# KiCad board Computer Board V2.1.kicad_pcb (continued)
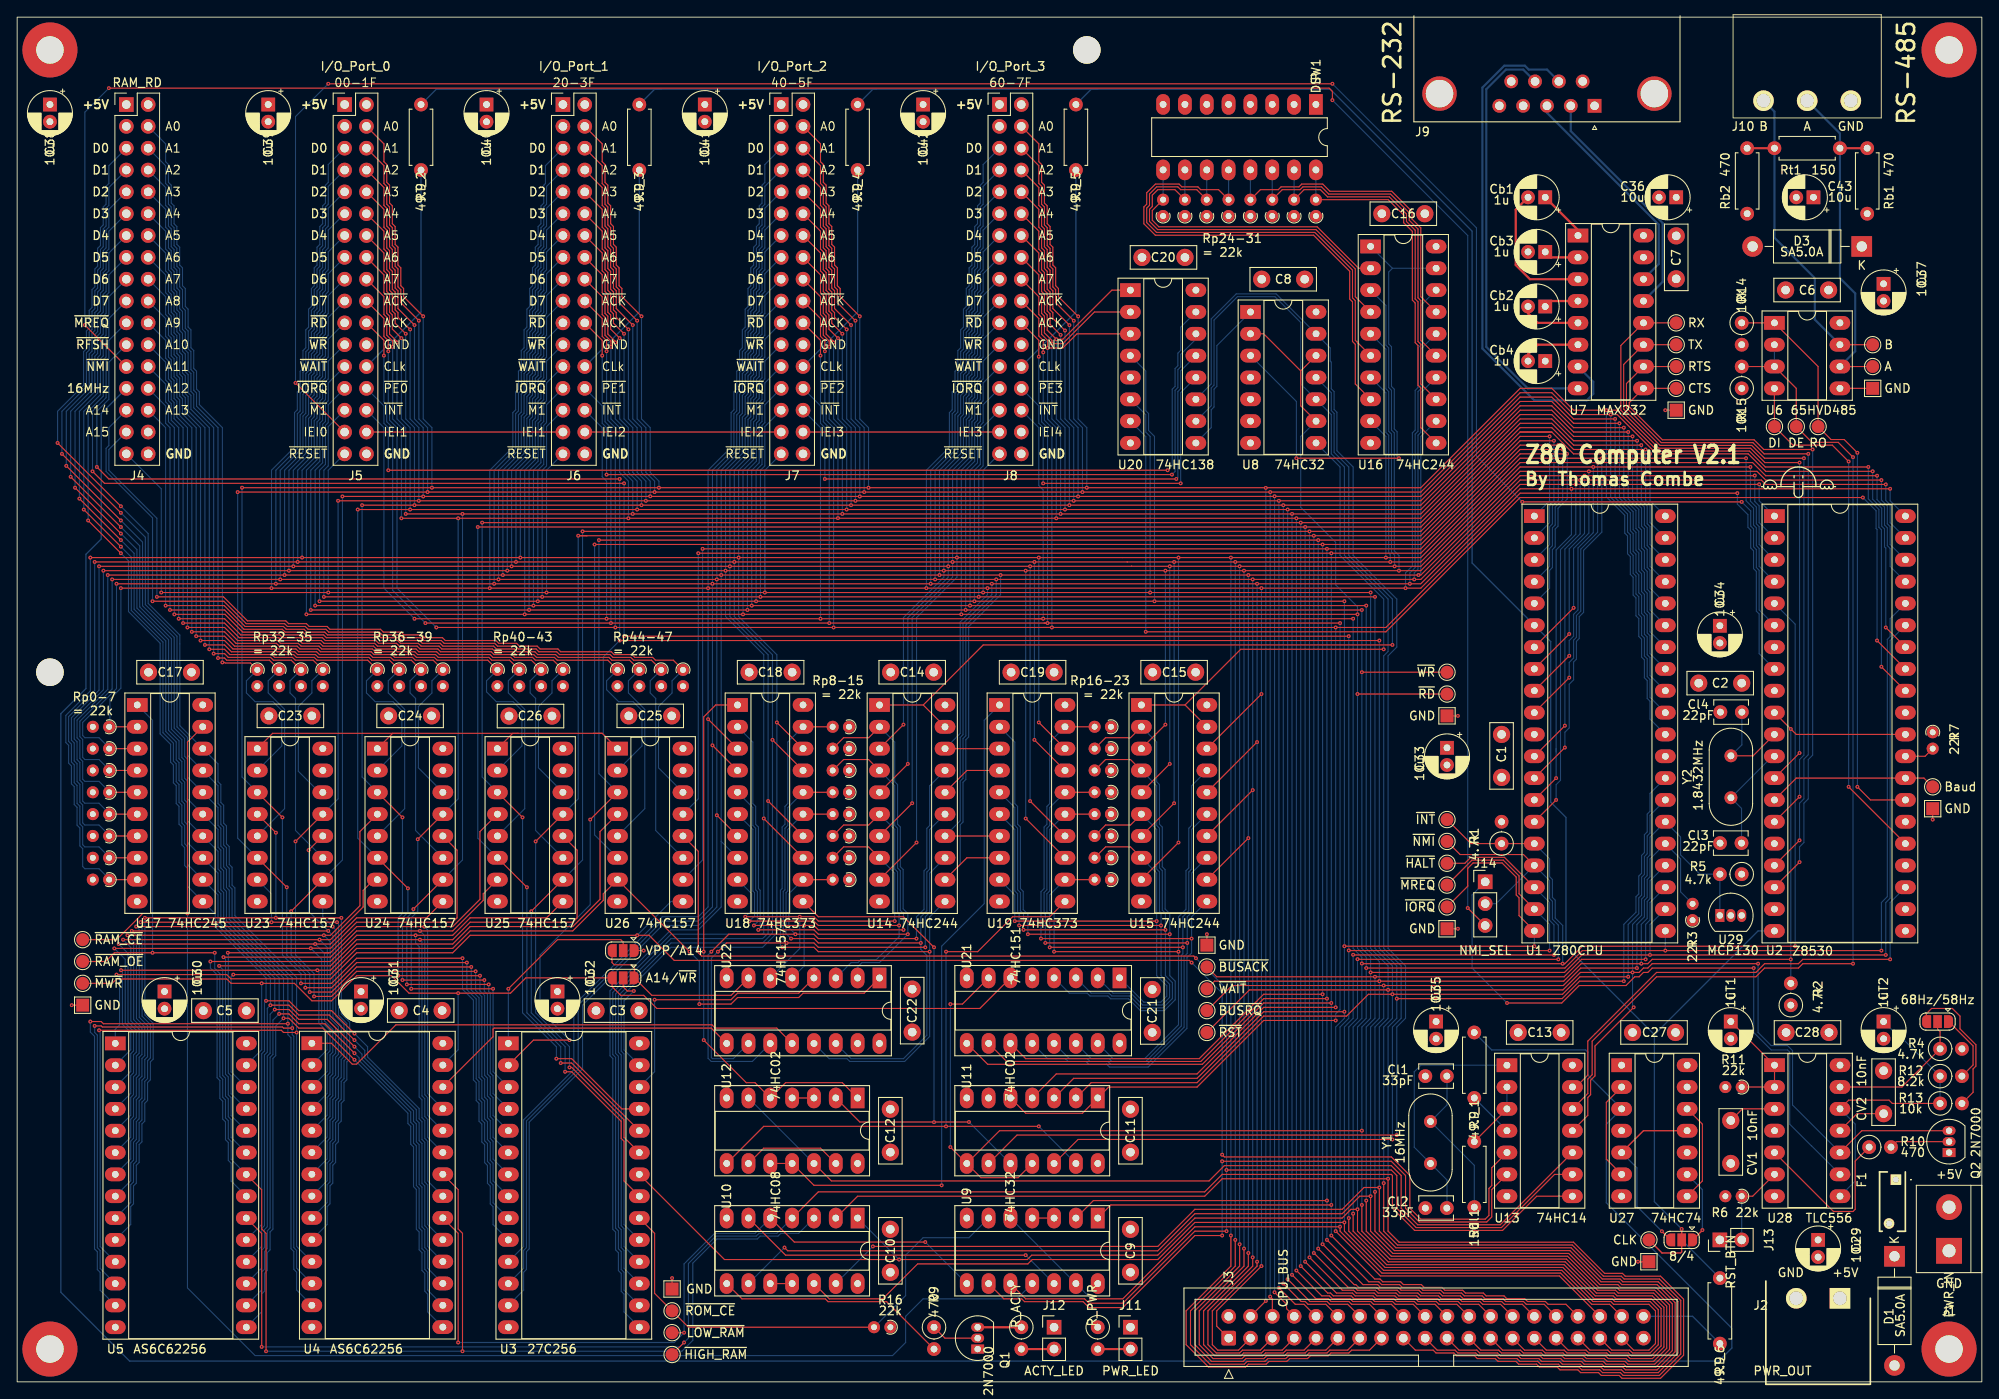
[diagram p0: board, top side]
## Library data of the parts (continued)
U11 U12 = -: Description: quad 2-input NOR gate
U13 = -: Description: Hex inverter schmitt trigger
U14-U16 = -: Description: 8-bit Buffer/Line Driver 3-state
U17 = -: Description: Octal BUS Transceivers, 3-State outputs
U18 U19 = -: Description: 8-bit Latch, 3-state outputs
U20 = -: Description: 3 line to 8-line decoders demultiplexers; Arrow Part Number: SN74HC138N; Arrow Price/Stock: https://www.arrow.com/en/products/sn74hc138n/texas-instruments?utm_currency=USD&region=nac; Height: 5.08; Manufacturer_Name: Texas Instruments; Manufacturer_Part_Number: SN74HC138N; Mouser Part Number: 595-SN74HC138N; Mouser Price/Stock: https://www.mouser.co.uk/ProductDetail/Texas-Instruments/SN74HC138N?qs=DcvZ7Fltd5x%252Bb2TMypNfUg%3D%3D
U21 = -: Description: Texas Instruments CD74HC151E, Multiplexer Switch IC Single 8:1 Multiplexer, 2  6 V, 16-Pin PDIP; Arrow Part Number: CD74HC151E; Arrow Price/Stock: https://www.arrow.com/en/products/cd74hc151e/texas-instruments?region=nac; Height: 5.08; Manufacturer_Name: Texas Instruments; Manufacturer_Part_Number: CD74HC151E; Mouser Part Number: 595-CD74HC151E; Mouser Price/Stock: https://www.mouser.co.uk/ProductDetail/Texas-Instruments/CD74HC151E?qs=YxwvVplHM%2FkvvQRtnHeIgw%3D%3D
U22-U26 = -: Description: Encoders, Decoders, Multiplexers & Demultiplexers Hi-Speed CMOS Logic Quad 2-Inpt Mltplxrs; Arrow Part Number: CD74HC157EE4; Arrow Price/Stock: https://www.arrow.com/en/products/cd74hc157ee4/texas-instruments; Height: 5.08; Manufacturer_Name: Texas Instruments; Manufacturer_Part_Number: CD74HC157EE4; Mouser Part Number: 595-CD74HC157EE4; Mouser Price/Stock: https://www.mouser.com/Search/Refine.aspx?Keyword=595-CD74HC157EE4
U27 = -: Description: Dual D Flip-flop, Set & Reset
U28 = -: Description: Dual Precision Timers, DIP-14/SOIC-14
U29 = -: Description: Microcontroller supervisory circuit with internal 5 kΩ pull-up, TO-92
Y1 Y2 = -: Description: Two pin crystal

## Footprints (pads in the part's own frame, mm; a bottom-side part is the same pattern mirrored in y, then rotated)
0ZRG0120FF1E
  rect 1.217x1.217 hole 0.71: 1(0,0)
  round 1.217 hole 0.71: 2(5.1,-0.8)
691313510003
  round 2.4 hole 1.6: 1(0,0) 2(5.08,0) 3(10.16,0)
C_Disc_D3.8mm_W2.6mm_P2.50mm
  round 1.6 hole 0.8: 1(0,0) 2(2.5,0)
C_Disc_D7.5mm_W2.5mm_P5.00mm
  round 2 hole 1: 1(0,0) 2(5,0)
CP_Radial_D5.0mm_P2.00mm
  rect 1.6x1.6 hole 0.8: 1(0,0)
  round 1.6 hole 0.8: 2(2,0)
Crystal_HC49-U_Vertical
  round 1.5 hole 0.8: 1(0,0) 2(4.88,0)
D_DO-15_P12.70mm_Horizontal
  rect 2.4x2.4 hole 1.2: 1(0,0)
  oval 2.4x2.4 hole 1.2: 2(12.7,0)
DIP-8_W7.62mm_Socket_LongPads
  rect 2.4x1.6 hole 0.8: 1(0,0)
  oval 2.4x1.6 hole 0.8: 2(0,-2.54) 3(0,-5.08) 4(0,-7.62) 5(7.62,-7.62) 6(7.62,-5.08) 7(7.62,-2.54) 8(7.62,0)
DIP-14_W7.62mm_Socket_LongPads
  rect 2.4x1.6 hole 0.8: 1(0,0)
  oval 2.4x1.6 hole 0.8: 2(0,-2.54) 3(0,-5.08) 4(0,-7.62) 5(0,-10.16) 6(0,-12.7) 7(0,-15.24) 8(7.62,-15.24) 9(7.62,-12.7) 10(7.62,-10.16) 11(7.62,-7.62) 12(7.62,-5.08) 13(7.62,-2.54) 14(7.62,0)
DIP-16_W7.62mm_LongPads
  rect 2.4x1.6 hole 0.8: 1(0,0)
  oval 2.4x1.6 hole 0.8: 2(0,-2.54) 3(0,-5.08) 4(0,-7.62) 5(0,-10.16) 6(0,-12.7) 7(0,-15.24) 8(0,-17.78) 9(7.62,-17.78) 10(7.62,-15.24) 11(7.62,-12.7) 12(7.62,-10.16) 13(7.62,-7.62) 14(7.62,-5.08) 15(7.62,-2.54) 16(7.62,0)
DIP-16_W7.62mm_Socket_LongPads
  rect 2.4x1.6 hole 0.8: 1(0,0)
  oval 2.4x1.6 hole 0.8: 2(0,-2.54) 3(0,-5.08) 4(0,-7.62) 5(0,-10.16) 6(0,-12.7) 7(0,-15.24) 8(0,-17.78) 9(7.62,-17.78) 10(7.62,-15.24) 11(7.62,-12.7) 12(7.62,-10.16) 13(7.62,-7.62) 14(7.62,-5.08) 15(7.62,-2.54) 16(7.62,0)
DIP-20_W7.62mm_Socket_LongPads
  rect 2.4x1.6 hole 0.8: 1(0,0)
  oval 2.4x1.6 hole 0.8: 2(0,-2.54) 3(0,-5.08) 4(0,-7.62) 5(0,-10.16) 6(0,-12.7) 7(0,-15.24) 8(0,-17.78) 9(0,-20.32) 10(0,-22.86) 11(7.62,-22.86) 12(7.62,-20.32) 13(7.62,-17.78) 14(7.62,-15.24) 15(7.62,-12.7) 16(7.62,-10.16) 17(7.62,-7.62) 18(7.62,-5.08) 19(7.62,-2.54) 20(7.62,0)
DIP-28_W15.24mm_Socket_LongPads
  rect 2.4x1.6 hole 0.8: 1(0,0)
  oval 2.4x1.6 hole 0.8: 2(0,-2.54) 3(0,-5.08) 4(0,-7.62) 5(0,-10.16) 6(0,-12.7) 7(0,-15.24) 8(0,-17.78) 9(0,-20.32) 10(0,-22.86) 11(0,-25.4) 12(0,-27.94) 13(0,-30.48) 14(0,-33.02) 15(15.24,-33.02) 16(15.24,-30.48) 17(15.24,-27.94) 18(15.24,-25.4) 19(15.24,-22.86) 20(15.24,-20.32) 21(15.24,-17.78) 22(15.24,-15.24) 23(15.24,-12.7) 24(15.24,-10.16) 25(15.24,-7.62) 26(15.24,-5.08) 27(15.24,-2.54) 28(15.24,0)
DIP-40_W15.24mm_Socket_LongPads
  rect 2.4x1.6 hole 0.8: 1(0,0)
  oval 2.4x1.6 hole 0.8: 2(0,-2.54) 3(0,-5.08) 4(0,-7.62) 5(0,-10.16) 6(0,-12.7) 7(0,-15.24) 8(0,-17.78) 9(0,-20.32) 10(0,-22.86) 11(0,-25.4) 12(0,-27.94) 13(0,-30.48) 14(0,-33.02) 15(0,-35.56) 16(0,-38.1) 17(0,-40.64) 18(0,-43.18) 19(0,-45.72) 20(0,-48.26) 21(15.24,-48.26) 22(15.24,-45.72) 23(15.24,-43.18) 24(15.24,-40.64) 25(15.24,-38.1) 26(15.24,-35.56) 27(15.24,-33.02) 28(15.24,-30.48) 29(15.24,-27.94) 30(15.24,-25.4) 31(15.24,-22.86) 32(15.24,-20.32) 33(15.24,-17.78) 34(15.24,-15.24) 35(15.24,-12.7) 36(15.24,-10.16) 37(15.24,-7.62) 38(15.24,-5.08) 39(15.24,-2.54) 40(15.24,0)
DSUB-9_Male_Horizontal_P2.77x2.84mm_EdgePinOffset7.70mm_Housed_MountingHolesOffset9.12mm
  round 4 hole 3.2: 0(-6.96,-1.42) 0(18.04,-1.42)
  rect 1.6x1.6 hole 1: 1(0,0)
  round 1.6 hole 1: 2(2.77,0) 3(5.54,0) 4(8.31,0) 5(11.08,0) 6(1.385,-2.84) 7(4.155,-2.84) 8(6.925,-2.84) 9(9.695,-2.84)
IDC-Header_2x20_P2.54mm_Vertical
  rrect 1.7x1.7 hole 1: 1(0,0)
  round 1.7 hole 1: 2(2.54,0) 3(0,-2.54) 4(2.54,-2.54) 5(0,-5.08) 6(2.54,-5.08) 7(0,-7.62) 8(2.54,-7.62) 9(0,-10.16) 10(2.54,-10.16) 11(0,-12.7) 12(2.54,-12.7) 13(0,-15.24) 14(2.54,-15.24) 15(0,-17.78) 16(2.54,-17.78) 17(0,-20.32) 18(2.54,-20.32) 19(0,-22.86) 20(2.54,-22.86) 21(0,-25.4) 22(2.54,-25.4) 23(0,-27.94) 24(2.54,-27.94) 25(0,-30.48) 26(2.54,-30.48) 27(0,-33.02) 28(2.54,-33.02) 29(0,-35.56) 30(2.54,-35.56) 31(0,-38.1) 32(2.54,-38.1) 33(0,-40.64) 34(2.54,-40.64) 35(0,-43.18) 36(2.54,-43.18) 37(0,-45.72) 38(2.54,-45.72) 39(0,-48.26) 40(2.54,-48.26)
MountingHole_3.2mm_M3
  round 3.2 hole 3.2 unplated: (0,0)
MountingHole_3.2mm_M3_Pad
  round 6.4 hole 3.2: 1(0,0)
PinHeader_1x02_P2.54mm_Vertical
  rect 1.7x1.7 hole 1: 1(0,0)
  oval 1.7x1.7 hole 1: 2(0,-2.54)
PinHeader_1x03_P2.54mm_Vertical
  rect 1.7x1.7 hole 1: 1(0,0)
  oval 1.7x1.7 hole 1: 2(0,-2.54) 3(0,-5.08)
PinHeader_2x17_P2.54mm_Vertical
  rect 1.7x1.7 hole 1: 1(0,0)
  oval 1.7x1.7 hole 1: 2(2.54,0) 3(0,-2.54) 4(2.54,-2.54) 5(0,-5.08) 6(2.54,-5.08) 7(0,-7.62) 8(2.54,-7.62) 9(0,-10.16) 10(2.54,-10.16) 11(0,-12.7) 12(2.54,-12.7) 13(0,-15.24) 14(2.54,-15.24) 15(0,-17.78) 16(2.54,-17.78) 17(0,-20.32) 18(2.54,-20.32) 19(0,-22.86) 20(2.54,-22.86) 21(0,-25.4) 22(2.54,-25.4) 23(0,-27.94) 24(2.54,-27.94) 25(0,-30.48) 26(2.54,-30.48) 27(0,-33.02) 28(2.54,-33.02) 29(0,-35.56) 30(2.54,-35.56) 31(0,-38.1) 32(2.54,-38.1) 33(0,-40.64) 34(2.54,-40.64)
R_Axial_DIN0204_L3.6mm_D1.6mm_P1.90mm_Vertical
  round 1.4 hole 0.7: 1(0,0)
  oval 1.4x1.4 hole 0.7: 2(1.9,0)
R_Axial_DIN0207_L6.3mm_D2.5mm_P2.54mm_Vertical
  round 1.6 hole 0.8: 1(0,0)
  oval 1.6x1.6 hole 0.8: 2(2.54,0)
R_Axial_DIN0207_L6.3mm_D2.5mm_P7.62mm_Horizontal
  round 1.6 hole 0.8: 1(0,0)
  oval 1.6x1.6 hole 0.8: 2(7.62,0)
SHDRRA2W100P0X508_1X2_1216X1200X850P
  rect 2.4x2.4 hole 1.6: 1(0,0)
  round 2.4 hole 1.6: 2(5.08,0)
SolderJumper-3_P1.3mm_Open_RoundedPad1.0x1.5mm
  custom 1.05x1.5 smd: 1(-1.3,0) 3(1.3,0)
  rect 1x1.5 smd: 2(0,0)
TerminalBlock_bornier-2_P5.08mm
  rect 3x3 hole 1.52: 1(0,0)
  round 3 hole 1.52: 2(5.08,0)
TestPoint_Pad_1.5x1.5mm
  rect 1.5x1.5 smd: 1(0,0)
TestPoint_Pad_D1.5mm
  round 1.5 smd: 1(0,0)
TO-92_Inline
  rect 1.05x1.5 hole 0.75: 1(0,0)
  oval 1.05x1.5 hole 0.75: 2(1.27,0) 3(2.54,0)

## Nets
+5V: C1.1 C2.1 C3.1 C4.1 C5.1 C6.1 C7.1 C8.1 C9.1 C10.1 C11.1 C12.1 C13.1 C14.1 C15.1 C16.1 C17.1 C18.1 C19.1 C20.1 C21.1 C22.1 C23.1 C24.1 C25.1 C26.1 C27.1 C28.1 C29.1 C30.1 C31.1 C32.1 C33.1 C34.1 C35.1 C36.1 C37.1 C38.1 C39.1 C40.1 C41.1 C42.1 C43.1 D1.1 D3.1 F1.2 J2.1 J4.1 J5.1 J6.1 J7.1 J8.1 J11.1 J12.1 JP2.1 R1.2 R2.1 R3.1 R4.2 R5.1 R6.2 R7.1 R11.2 R14.2 R16.1 Rb1.1 Rp_0.2 Rp_1.2 Rp_2.2 Rp_3.2 Rp_4.2 Rp_5.2 Rp_6.2 Rp_7.2 Rp_16.1 Rp_17.1 Rp_18.1 Rp_19.1 Rp_20.1 Rp_21.1 Rp_22.1 Rp_23.1 Rp_32.2 Rp_33.2 Rp_34.2 Rp_35.2 Rp_36.2 Rp_37.2 Rp_38.2 Rp_39.2 Rp_40.2 Rp_41.2 Rp_42.2 Rp_43.2 Rp_44.2 Rp_45.2 Rp_46.2 Rp_47.2 SW1.1 SW1.2 SW1.3 SW1.4 SW1.5 SW1.6 SW1.7 SW1.8 U1.11 U2.7 U2.9 U3.28 U4.28 U5.28 U6.8 U7.16 U8.14 U9.14 U10.14 U11.14 U12.14 U13.14 U14.20 U15.20 U16.20 U17.20 U18.20 U19.20 U20.16 U21.16 U22.16 U23.16 U24.16 U25.16 U26.16 U27.1 U27.4 U27.10 U27.13 U27.14 U28.4 U28.14 U29.2
GND: C1.2 C2.2 C3.2 C4.2 C5.2 C6.2 C7.2 C8.2 C9.2 C10.2 C11.2 C12.2 C13.2 C14.2 C15.2 C16.2 C17.2 C18.2 C19.2 C20.2 C21.2 C22.2 C23.2 C24.2 C25.2 C26.2 C27.2 C28.2 C29.2 C30.2 C31.2 C32.2 C33.2 C34.2 C35.2 C36.2 C37.2 C38.2 C39.2 C40.2 C41.2 C42.2 C43.2 Cb3.2 Cb4.1 Cl1.2 Cl2.2 Cl3.2 Cl4.2 CT1.2 CT2.2 CV1.2 CV2.2 D1.2 D3.2 H1.1 H2.1 H3.1 H4.1 J1.1 J2.2 J3.2 J3.39 J4.34 J5.24 J5.34 J6.24 J6.34 J7.24 J7.34 J8.24 J8.34 J9.0 J9.5 J10.1 J13.1 Q1.1 Q2.1 R15.1 R17.1 Rb2.2 Rp_8.1 Rp_9.1 Rp_10.1 Rp_11.1 Rp_12.1 Rp_13.1 Rp_14.1 Rp_15.1 Rp_24.1 Rp_25.1 Rp_26.1 Rp_27.1 Rp_28.1 Rp_29.1 Rp_30.1 Rp_31.1 TP32.1 TP33.1 TP37.1 TP38.1 TP39.1 TP40.1 TP41.1 TP42.1 TP43.1 U1.29 U2.19 U2.21 U2.22 U2.31 U3.14 U4.14 U5.14 U6.5 U7.15 U8.4 U8.5 U8.7 U9.7 U10.7 U11.6 U11.7 U12.7 U13.7 U14.10 U15.10 U16.10 U17.10 U18.10 U19.10 U20.5 U20.8 U21.8 U22.8 U22.15 U23.8 U23.15 U24.8 U24.15 U25.8 U25.15 U26.8 U26.15 U27.7 U28.7 U29.3
/A: J10.2 Rb1.2 Rt1.1 TP14.1 U6.6
/A0: J3.4 J5.4 J6.4 J7.4 J8.4 U1.30 U2.32 U3.10 U23.3
/A1: J3.6 J5.6 J6.6 J7.6 J8.6 U1.31 U2.34 U3.9 U23.6
/A2: J3.8 J5.8 J6.8 J7.8 J8.8 U1.32 U3.8 U23.10
/A3: J3.10 J5.10 J6.10 J7.10 J8.10 U1.33 U3.7 U23.13
/A4: J3.12 J5.12 J6.12 J7.12 J8.12 U1.34 U3.6 U24.3
/A5: J3.14 J5.14 J6.14 J7.14 J8.14 U1.35 U3.5 U20.1 U24.6
/A6: J3.16 J5.16 J6.16 J7.16 J8.16 U1.36 U3.4 U20.2 U24.10
/A7: J3.18 J5.18 J6.18 J7.18 J8.18 U1.37 U3.3 U20.3 U24.13
/A8: J3.20 U1.38 U3.25 U25.3
/A9: J3.22 U1.39 U3.24 U25.6
/A10: J3.24 U1.40 U3.21 U25.10
/A11: J3.26 U1.1 U3.23 U25.13
/A12: J3.28 U1.2 U3.2 U26.3
/A13: J3.30 U1.3 U21.11 U26.6
/A14: J3.32 U1.4 U9.2 U21.10 U26.10
/A14/~{WR}: JP3.2 U3.27
/A15: J3.34 U1.5 U9.1 U21.9 U26.13
/ACK: J5.22 J6.22 J7.22 J8.22 U11.1 U11.5
/ACTY: R9.2 U10.8
/AstableCap: CT2.1 R12.1 R13.1 U28.8 U28.12
/AstableNode: JP4.2 R4.1 U28.13
/B: J10.3 Rb2.1 Rt1.2 TP15.1 U6.7
/Bank_Q0: Rp_8.2 U14.2 U18.2 U22.2
/Bank_Q1: Rp_9.2 U14.4 U18.5 U22.5
/Bank_Q2: Rp_10.2 U14.6 U18.6 U22.3
/Bank_Q3: Rp_11.2 U14.8 U18.9 U22.6
/Bank_Q4: Rp_12.2 U14.17 U18.12 U22.11
/Bank_Q5: Rp_13.2 U14.15 U18.15 U22.14
/Bank_Q6: Rp_14.2 U14.13 U18.16 U22.10
/Bank_Q7: Rp_15.2 U14.11 U18.19 U22.13
/Bank_Register/WR: U11.10 U12.2 U18.11
/Bank_Register/~{OE}: U12.1 U12.5 U18.1
/Baud_CLK: TP2.1 U2.14 U2.28
/CLK: JP1.2 RT_2.2 RT_3.2 RT_4.2 RT_5.2 RT_6.2 TP22.1 U1.6 U2.20
/CLK_4MHz: JP1.1 U27.9
/CLK_8MHz: JP1.3 U27.5 U27.11
/CLK_16MHz: J4.27 RT_1.2 U27.3
/CPU_~{NMI}: J3.35 J14.2 TP1.1 U1.17
/CTS_232: J9.8 U7.8
/D0: J3.1 J5.5 J6.5 J7.5 J8.5 Rp_0.1 U1.14 U2.40 U3.11 U14.18 U15.18 U16.18 U17.2 U18.3 U19.3
/D1: J3.3 J5.7 J6.7 J7.7 J8.7 Rp_1.1 U1.15 U2.1 U3.12 U14.16 U15.16 U16.16 U17.3 U18.4 U19.4
/D2: J3.5 J5.9 J6.9 J7.9 J8.9 Rp_2.1 U1.12 U2.39 U3.13 U14.14 U15.14 U16.14 U17.4 U18.7 U19.7
/D3: J3.7 J5.11 J6.11 J7.11 J8.11 Rp_3.1 U1.8 U2.2 U3.15 U14.12 U15.12 U16.12 U17.5 U18.8 U19.8
/D4: J3.9 J5.13 J6.13 J7.13 J8.13 Rp_4.1 U1.7 U2.38 U3.16 U14.3 U15.3 U16.3 U17.6 U18.13 U19.13
/D5: J3.11 J5.15 J6.15 J7.15 J8.15 Rp_5.1 U1.9 U2.3 U3.17 U14.5 U15.5 U16.5 U17.7 U18.14 U19.14
/D6: J3.13 J5.17 J6.17 J7.17 J8.17 Rp_6.1 U1.10 U2.37 U3.18 U14.7 U15.7 U16.7 U17.8 U18.17 U19.17
/D7: J3.15 J5.19 J6.19 J7.19 J8.19 Rp_7.1 U1.13 U2.4 U3.19 U14.9 U15.9 U16.9 U17.9 U18.18 U19.18
/DE: R15.2 TP35.1 U6.2 U6.3 U13.12
/DI: TP36.1 U2.25 U6.4
/DIP0: Rp_31.2 SW1.9 U16.2
/DIP1: Rp_30.2 SW1.10 U16.4
/DIP2: Rp_29.2 SW1.11 U16.6
/DIP3: Rp_28.2 SW1.12 U16.8
/DIP4: Rp_27.2 SW1.13 U16.17
/DIP5: Rp_26.2 SW1.14 U16.15
/DIP6: Rp_25.2 SW1.15 U16.13
/DIP7: Rp_24.2 SW1.16 U16.11
/IEI0: J5.31 U2.6
/IEI1: J5.32 J6.31
/IEI2: J6.32 J7.31
/IEI3: J7.32 J8.31
/IEI4: J8.32
/Int_~{NMI}: J14.1 U28.9
/Low_RAM_A13: U4.26 U22.9
/Low_RAM_A14: U4.1 U22.12
/MonotableNode: R10.1 U28.5
/Protect_Q0: Rp_16.2 U15.2 U19.2 U21.4
/Protect_Q1: Rp_17.2 U15.4 U19.5 U21.3
/Protect_Q2: Rp_18.2 U15.6 U19.6 U21.2
/Protect_Q3: Rp_19.2 U15.8 U19.9 U21.1
/Protect_Q4: Rp_20.2 U15.17 U19.12 U21.15
/Protect_Q5: Rp_21.2 U15.15 U19.15 U21.14
/Protect_Q6: Rp_22.2 U15.13 U19.16 U21.13
/Protect_Q7: Rp_23.2 U15.11 U19.19 U21.12
/Protect_Register/WR: U11.13 U12.8 U19.11
/Protect_Register/~{OE}: U12.10 U12.11 U19.1
/RAM_A0: U4.10 U5.10 U23.4
/RAM_A1: U4.9 U5.9 U23.7
/RAM_A2: U4.8 U5.8 U23.9
/RAM_A3: U4.7 U5.7 U23.12
/RAM_A4: U4.6 U5.6 U24.4
/RAM_A5: U4.5 U5.5 U24.7
/RAM_A6: U4.4 U5.4 U24.9
/RAM_A7: U4.3 U5.3 U24.12
/RAM_A8: U4.25 U5.25 U25.4
/RAM_A9: U4.24 U5.24 U25.7
/RAM_A10: U4.21 U5.21 U25.9
/RAM_A11: U4.23 U5.23 U25.12
/RAM_A12: U4.2 U5.2 U26.4
/RAM_A13: U5.26 U22.1 U26.7
/RAM_A14: U5.1 U13.5 U26.9
/RAM_A15: U9.10 U13.9 U26.12
/RAM_D0: J4.5 U4.11 U5.11 U17.18
/RAM_D1: J4.7 U4.12 U5.12 U17.17
/RAM_D2: J4.9 U4.13 U5.13 U17.16
/RAM_D3: J4.11 U4.15 U5.15 U17.15
/RAM_D4: J4.13 U4.16 U5.16 U17.14
/RAM_D5: J4.15 U4.17 U5.17 U17.13
/RAM_D6: J4.17 U4.18 U5.18 U17.12
/RAM_D7: J4.19 U4.19 U5.19 U17.11
/RESET: U12.6 U12.12 U13.10
/RO: R14.1 TP34.1 U2.27 U6.1
/ROM_A13: U3.26 U22.4
/ROM_A14: JP2.3 JP3.1 U22.7
/RTS_232: J9.7 U7.7
/RX: TP6.1 U2.13 U7.12
/Sync_~{NMI}: J4.25 J14.3
/TX: TP5.1 U2.15 U7.11
/Vid_A0: J4.4 Rp_32.1 U23.2
/Vid_A1: J4.6 Rp_33.1 U23.5
/Vid_A2: J4.8 Rp_34.1 U23.11
/Vid_A3: J4.10 Rp_35.1 U23.14
/Vid_A4: J4.12 Rp_36.1 U24.2
/Vid_A5: J4.14 Rp_37.1 U24.5
/Vid_A6: J4.16 Rp_38.1 U24.11
/Vid_A7: J4.18 Rp_39.1 U24.14
/Vid_A8: J4.20 Rp_40.1 U25.2
/Vid_A9: J4.22 Rp_41.1 U25.5
/Vid_A10: J4.24 Rp_42.1 U25.11
/Vid_A11: J4.26 Rp_43.1 U25.14
/Vid_A12: J4.28 Rp_44.1 U26.2
/Vid_A13: J4.30 Rp_45.1 U26.5
/Vid_A14: J4.29 Rp_46.1 U26.11
/Vid_A15: J4.31 Rp_47.1 U26.14
/VPP/A14: JP2.2 U3.1
/~{4MHz}: U27.8 U27.12
/~{8MHz}: U27.2 U27.6
/~{ACK}: J5.20 J6.20 J7.20 J8.20 U2.8 U11.4
/~{BankSW_RD}: U8.11 U14.1 U14.19
/~{BankSW}: U8.13 U11.9 U20.11
/~{BUSACK}: J3.27 TP12.1 U1.23
/~{BUSRQ}: J3.23 R3.2 TP11.1 U1.25
/~{CPU_RAM_CE}: TP17.1 U9.11 U17.19
/~{CTSA}: TP3.1 U2.18 U7.9
/~{DIP_RD}: U8.3 U16.1 U16.19
/~{DIP}: U8.1 U20.9
/~{ESCC}: U2.33 U20.7
/~{HALT}: J3.37 TP13.1 U1.18 U10.12
/~{HIGH_RAM_CE}: TP24.1 U5.20 U10.4 U13.8
/~{INT}: J3.33 J5.30 J6.30 J7.30 J8.30 R1.1 TP9.1 U1.16 U2.5
/~{IORQ}: J3.36 J5.27 J6.27 J7.27 J8.27 TP29.1 U1.20 U11.3 U20.4
/~{LOW_RAM_CE}: TP23.1 U4.20 U9.8 U10.5
/~{M1}: J3.19 J5.29 J6.29 J7.29 J8.29 U1.27 U11.2
/~{MREQ}: J3.38 J4.21 TP28.1 U1.19 U9.5 U9.13
/~{MWR}: JP3.3 TP20.1 U4.27 U5.27 U21.6
/~{PE0}: J5.28 U20.15
/~{PE1}: J6.28 U20.14
/~{PE2}: J7.28 U20.13
/~{PE3}: J8.28 U20.12
/~{Protect_RD}: U8.8 U15.1 U15.19
/~{Protect}: U8.10 U11.12 U20.10
/~{RAM_A14}: U9.9 U13.6
/~{RAM_CE}: U9.12 U10.6
/~{RAM_OE}: TP18.1 U4.22 U5.22 U10.3 U17.1
/~{RD}: J3.31 J5.21 J6.21 J7.21 J8.21 TP26.1 U1.21 U2.36 U3.22 U8.2 U8.9 U8.12 U10.1
/~{RESET}: J3.21 J4.33 J5.33 J6.33 J7.33 J8.33 Q2.3 R5.2 TP8.1 U1.26 U10.13 U13.11 U20.6 U28.10 U29.1
/~{RFSH}: J3.17 J4.23 U1.28 U10.2 U23.1 U24.1 U25.1 U26.1
/~{ROM_CE}: R16.2 TP19.1 U3.20 U9.6
/~{RSTB}: U2.23 U13.13
/~{RTSA}: TP4.1 U2.17 U7.10
/~{RX_232}: J9.2 U7.13
/~{SYNCB}: R7.2 U2.29
/~{TX_232}: J9.3 U7.14
/~{WAIT}: J3.25 J5.25 J6.25 J7.25 J8.25 R2.2 TP10.1 U1.24 U2.10 U2.30 U10.9
/~{WR}: J3.29 J5.23 J6.23 J7.23 J8.23 TP25.1 U1.22 U2.35 U11.8 U11.11 U21.7
Net-(Cl1-Pad1): Cl1.1 Rdl1.2 Y1.1
Net-(Cl2-Pad1): Cl2.1 U13.1 Y1.2
Net-(J1-Pin_2): F1.1 J1.2
Net-(J3-Pin_40): J3.40 RT_6.1
Net-(J5-Pin_26): J5.26 RT_2.1
Net-(J6-Pin_26): J6.26 RT_3.1
Net-(J7-Pin_26): J7.26 RT_4.1
Net-(J8-Pin_26): J8.26 RT_5.1
Net-(J11-Pin_2): J11.2 R17.2
Net-(J12-Pin_2): J12.2 R18.2
Net-(J13-Pin_2): J13.2 R6.1 U28.6
Net-(JP4-A): JP4.1 R12.2
Net-(JP4-B): JP4.3 R13.2
Net-(Q1-D): Q1.3 R18.1
Net-(Q1-G): Q1.2 R9.1
Net-(Q2-G): Q2.2 R10.2
Net-(Rdl1-Pad1): Rdl1.1 U13.2 U13.3
Net-(RT_1-Pad1): RT_1.1 U13.4
Net-(U2-~{RTXCA}): Cl3.1 U2.12 Y2.2
Net-(U2-~{SYNCA}): Cl4.1 U2.11 Y2.1
Net-(U7-C1+): Cb1.1 U7.1
Net-(U7-C1-): Cb1.2 U7.3
Net-(U7-C2+): Cb2.1 U7.4
Net-(U7-C2-): Cb2.2 U7.5
Net-(U7-VS+): Cb3.1 U7.2
Net-(U7-VS-): Cb4.2 U7.6
Net-(U9-1Y): U9.3 U9.4
Net-(U10-3B): U10.10 U10.11
Net-(U12-Pad3): U12.3 U12.4
Net-(U12-Pad13): U12.9 U12.13
Net-(U28A-CV): CV1.1 U28.3
Net-(U28A-DIS): CT1.1 R11.1 U28.1 U28.2
Net-(U28B-CV): CV2.1 U28.11

Pads without a net: J4 2 3 32; J5 2 3; J6 2 3; J7 2 3; J8 2 3; J9 1 4 6 9; U2 16 24 26; U8 6; U21 5

## Via types
v1: diameter 0.45, hole 0.2, Top to Bottom, 623 vias

## Routing (per net, layer and track width the routed paths; a pad name or vN(x,y) marks a point on that pad's centre or on a via; arc(x,y) is an arc through that point)
+5V: length 40.8
  Top w0.127: v1(72.9,50.16) 71.81,50.16
  In1.Cu w1: D1.1 218.44,17.78 217.81,18.41 ; D1.1 218.44,12.7 215.46,9.72 J2.1 ; D1.1 216.53,14.6 214.63,16.51 C29.1 ; C43.1 213.36,137.79 Rb1.1 214.63,135.25 D3.1 217.17,129.54 C37.1
GND: length 38.4
  Top w0.127: TP42.1 v1(167.64,77.47) ; TP40.1 v1(138.43,52.07) ; TP43.1 v1(76.2,12.06) ; TP33.1 v1(222.89,65.41) ; TP41.1 v1(6.35,43.81) ; TP37.1 v1(167.64,52.7) ; TP39.1 v1(191.77,113.03) ; U6.5 TP38.1
  Top w0.15: v1(188.59,13.97) TP32.1
  In2.Cu w1: J10.1 207.01,142.69 C43.2 203.2,137.79 Rb2.2 201.93,135.25 D3.2
/A: length 41
  Top w0.127: TP14.1 U6.6
  Top w0.254: Rt1.1 Rb1.2
  Bottom w0.254: J10.2 212.09,145.22 Rt1.1 212.09,128.4 213.87,126.62 213.87,119.89 U6.6
/A0: length 660
  Top w0.127: v1(72.64,123.95) 70.36,126.23 70.36,127.19 70.03,127.51 70.03,129.59 69.71,129.92 69.71,132 69.38,132.32 69.38,134.4 69.05,134.73 69.05,136.8 68.73,137.13 68.73,139.21 68.4,139.54 68.4,141.61 68.07,141.94 68.07,144.02 J6.4 ; v1(145.29,9.4) J3.4 ; v1(26.16,104.01) v1(48.26,104.01) 163.32,104.01 174.88,115.57 178.56,115.57 181.1,113.03 v1(184.91,113.03) 186.14,113.03 190.89,108.28 201.56,108.28 203.41,106.43 v1(215.39,106.43) ; v1(98.04,123.95) 95.76,126.23 95.76,127.19 95.43,127.51 95.43,129.59 95.11,129.92 95.11,132 94.78,132.32 94.78,134.4 94.45,134.73 94.45,136.8 94.13,137.13 94.13,139.21 93.8,139.54 93.8,141.61 93.47,141.94 93.47,144.02 J7.4 ; J8.4 118.87,144.02 118.87,141.94 119.2,141.61 119.2,139.54 119.53,139.21 119.53,137.13 119.85,136.8 119.85,134.73 120.18,134.4 120.18,132.32 120.51,132 120.51,129.92 120.83,129.59 120.83,127.51 121.16,127.19 121.16,126.23 v1(123.45,123.94) ; J5.4 42.67,144.02 42.67,141.94 43,141.61 43,139.54 43.33,139.21 43.33,137.13 43.65,136.8 43.65,134.73 43.98,134.4 43.98,132.32 44.31,132 44.31,129.92 44.63,129.59 44.63,127.51 44.96,127.19 44.96,126.23 v1(47.24,123.95) ; U2.32 v1(216.92,83.19) ; v1(51.82,49.28) 39.5,49.28 36.58,46.35 v1(33.02,46.35) ; U23.3 v1(30.86,65.66)
  Bottom w0.127: v1(51.82,49.28) 51.82,45.67 53.08,44.4 53.08,35.12 53.41,34.79 53.41,32.72 53.74,32.39 53.74,30.31 54.06,29.98 54.06,27.91 54.39,27.58 54.39,25.5 54.72,25.17 54.72,23.1 55.05,22.77 55.05,20.69 55.37,20.37 55.37,18.29 U3.10 ; v1(215.39,106.43) 215.39,102.72 216.62,101.48 216.62,99.41 216.92,99.12 v1(216.92,83.19) ; v1(184.91,113.03) 184.91,102.95 187.05,100.81 187.05,98.73 187.38,98.41 187.38,96.33 187.7,96 187.7,93.93 188.03,93.6 188.03,91.52 188.36,91.19 188.36,89.12 188.68,88.79 188.68,86.71 189.01,86.39 189.01,84.31 189.34,83.98 189.34,81.9 189.67,81.58 189.67,79.5 189.99,79.17 189.99,77.09 191.78,75.31 ; v1(99.06,104.01) 99.06,111 98.04,112.01 v1(98.04,123.95) ; v1(124.46,104.01) 124.46,111 123.45,112.01 v1(123.45,123.94) ; v1(26.16,104.01) 26.16,70.36 U23.3 ; v1(33.02,46.35) 33.02,47.5 30.86,49.66 v1(30.86,65.66) ; v1(72.64,123.95) 72.64,112.01 73.66,111 73.66,105.79 74.68,104.77 v1(74.68,104.01) ; v1(48.26,104.01) 48.26,111 47.24,112.01 v1(47.24,123.95) ; v1(145.29,103.99) v1(145.29,9.4)
/A1: length 639
  Top w0.127: v1(145.8,9.91) 146.05,9.65 J3.6 ; v1(122.94,123.44) 120.83,125.55 120.83,127.05 120.51,127.38 120.51,129.46 120.18,129.78 120.18,131.86 119.85,132.19 119.85,134.26 119.53,134.59 119.53,136.67 119.2,137 119.2,139.07 118.87,139.4 118.87,141.48 J8.6 ; J6.6 68.07,141.48 68.07,139.4 68.4,139.07 68.4,137 68.73,136.67 68.73,134.59 69.05,134.26 69.05,132.19 69.38,131.86 69.38,129.78 69.71,129.46 69.71,127.38 70.03,127.05 70.03,125.55 v1(72.14,123.44) ; v1(215.9,105.92) 203.45,105.92 201.42,107.95 190.75,107.95 186.18,112.52 v1(185.42,112.52) 181.1,112.52 178.56,115.06 174.88,115.06 163.32,103.5 v1(123.95,103.5) v1(98.55,103.5) v1(74.17,103.5) v1(47.75,103.5) v1(25.65,103.5) ; J5.6 42.67,141.48 42.67,139.4 43,139.07 43,137 43.33,136.67 43.33,134.59 43.65,134.26 43.65,132.19 43.98,131.86 43.98,129.78 44.31,129.46 44.31,127.38 44.63,127.05 44.63,125.55 v1(46.74,123.44) ; v1(33.53,45.85) 36.58,45.85 39.5,48.77 v1(52.32,48.77) ; v1(97.54,123.44) 95.43,125.55 95.43,127.05 95.11,127.38 95.11,129.46 94.78,129.78 94.78,131.86 94.45,132.19 94.45,134.26 94.13,134.59 94.13,136.67 93.8,137 93.8,139.07 93.47,139.4 93.47,141.48 J7.6 ; U2.34 v1(217.42,87.76) ; U23.6 v1(31.37,57.53)
  Bottom w0.127: v1(74.17,103.5) 74.17,104.77 73.15,105.79 73.15,111 72.14,112.01 v1(72.14,123.44) ; v1(52.32,48.77) 52.32,45.62 53.41,44.53 53.41,35.26 53.74,34.93 53.74,32.85 54.06,32.52 54.06,30.45 54.39,30.12 54.39,28.04 54.72,27.71 54.72,25.64 55.05,25.31 55.05,23.23 55.37,22.91 55.37,20.83 U3.9 ; v1(185.42,112.52) 185.42,102.9 187.38,100.95 187.38,98.87 187.7,98.54 187.7,96.47 188.03,96.14 188.03,94.06 188.36,93.73 188.36,91.66 188.68,91.33 188.68,89.25 189.01,88.93 189.01,86.85 189.34,86.52 189.34,84.44 189.67,84.12 189.67,82.04 189.99,81.71 189.99,79.63 U1.31 ; U23.6 25.65,63.25 v1(25.65,103.5) ; v1(215.9,105.92) 215.9,102.67 216.95,101.62 216.95,99.54 217.28,99.22 217.28,97.14 217.42,96.99 v1(217.42,87.76) ; v1(145.8,103.5) v1(145.8,9.91) ; v1(123.95,103.5) 123.95,111 122.94,112.01 122.94,123.43 v1(122.94,123.44) ; v1(46.74,123.44) 46.74,112.01 47.75,111 v1(47.75,103.5) ; v1(31.37,57.53) 31.37,49.66 33.53,47.5 v1(33.53,45.85) ; v1(98.55,103.5) 98.55,111 97.54,112.01 v1(97.54,123.44)
/A2: length 557.1
  Top w0.127: v1(46.23,122.94) 44.31,124.86 44.31,126.92 43.98,127.24 43.98,129.32 43.65,129.65 43.65,131.72 43.33,132.05 43.33,134.13 43,134.46 43,136.53 42.67,136.86 42.67,138.94 J5.8 ; v1(122.44,122.93) 120.51,124.86 120.51,126.92 120.18,127.24 120.18,129.32 119.85,129.65 119.85,131.72 119.53,132.05 119.53,134.13 119.2,134.46 119.2,136.53 118.87,136.86 118.87,138.94 J8.8 ; U23.10 v1(31.88,54.74) ; v1(146.3,10.41) 147.7,9.02 147.7,8.51 J3.8 ; J7.8 93.47,138.94 93.47,136.86 93.8,136.53 93.8,134.46 94.13,134.13 94.13,132.05 94.45,131.72 94.45,129.65 94.78,129.32 94.78,127.24 95.11,126.92 95.11,124.86 v1(97.03,122.94) ; v1(37.85,103) v1(47.24,103) v1(123.44,103) 163.32,103 174.88,114.55 178.56,114.55 181.1,112.01 v1(185.93,112.01) ; v1(71.63,122.94) 69.71,124.86 69.71,126.92 69.38,127.24 69.38,129.32 69.05,129.65 69.05,131.72 68.73,132.05 68.73,134.13 68.4,134.46 68.4,136.53 68.07,136.86 68.07,138.94 J6.8 ; v1(52.83,48.26) 39.5,48.26 36.58,45.34 v1(34.04,45.34)
  Bottom w0.127: U3.8 55.37,23.37 55.37,25.45 55.05,25.77 55.05,27.85 54.72,28.18 54.72,30.25 54.39,30.58 54.39,32.66 54.06,32.99 54.06,35.06 53.74,35.39 53.74,44.67 52.83,45.58 v1(52.83,48.26) ; v1(46.23,122.94) 46.23,112.01 47.24,111 v1(47.24,103) ; v1(34.04,45.34) 34.04,47.5 31.88,49.66 v1(31.88,54.74) ; v1(123.44,103) 123.44,111 122.44,112.01 v1(122.44,122.93) ; v1(185.93,112.01) 185.93,102.86 187.7,101.08 187.7,99.01 188.03,98.68 188.03,96.6 188.36,96.27 188.36,94.2 188.68,93.87 188.68,91.79 189.01,91.47 189.01,89.39 189.34,89.06 189.34,86.98 189.67,86.66 189.67,84.58 189.99,84.25 189.99,82.17 U1.32 ; v1(37.85,103) 37.85,60.71 U23.10 ; v1(98.04,103) 98.04,111 97.03,112.01 v1(97.03,122.94) ; v1(146.3,103.02) v1(146.3,10.41) ; 73.66,103 73.66,104.77 72.64,105.79 72.64,111 71.63,112.01 v1(71.63,122.94)
  vias: v1(73.66,103.02)
/A3: length 543.1
  Top w0.127: v1(96.52,122.43) 95.11,123.84 95.11,124.38 94.78,124.7 94.78,126.78 94.45,127.11 94.45,129.18 94.13,129.51 94.13,131.59 93.8,131.92 93.8,133.99 93.47,134.32 93.47,136.4 J7.10 ; v1(186.44,111.51) 181.1,111.51 178.56,114.05 174.88,114.05 163.32,102.49 v1(122.94,102.49) v1(97.54,102.49) v1(73.15,102.49) v1(46.74,102.49) v1(37.34,102.49) ; J6.10 68.07,136.4 68.07,134.32 68.4,133.99 68.4,131.92 68.73,131.59 68.73,129.51 69.05,129.18 69.05,127.11 69.38,126.78 69.38,124.7 69.71,124.38 69.71,123.84 v1(71.12,122.43) ; v1(121.92,122.3) 120.51,123.71 120.51,124.38 120.18,124.7 120.18,126.78 119.85,127.11 119.85,129.18 119.53,129.51 119.53,131.59 119.2,131.92 119.2,133.99 118.87,134.32 118.87,136.4 J8.10 ; v1(34.54,44.83) 36.58,44.83 39.5,47.75 v1(53.34,47.75) ; v1(146.81,10.92) 148.72,9.02 149.73,9.02 J3.10 ; v1(45.72,122.43) 44.31,123.84 44.31,124.38 43.98,124.7 43.98,126.78 43.65,127.11 43.65,129.18 43.33,129.51 43.33,131.59 43,131.92 43,133.99 42.67,134.32 42.67,136.4 J5.10 ; U23.13 v1(32.38,62.86)
  Bottom w0.127: U23.13 37.34,67.82 v1(37.34,102.49) ; v1(34.54,44.83) 34.54,47.5 32.38,49.66 v1(32.38,62.86) ; v1(71.12,122.43) 71.12,112.01 72.14,111 72.14,105.79 73.15,104.77 v1(73.15,102.49) ; v1(97.54,102.49) 97.54,111 96.52,112.01 v1(96.52,122.43) ; U3.7 55.37,25.91 55.37,27.99 55.05,28.31 55.05,30.39 54.72,30.72 54.72,32.79 54.39,33.12 54.39,35.2 54.06,35.53 54.06,44.81 53.34,45.53 v1(53.34,47.75) ; v1(46.74,102.49) 46.74,111 45.72,112.01 v1(45.72,122.43) ; v1(146.81,102.49) v1(146.81,10.92) ; v1(121.92,122.3) 121.92,112.01 122.94,111 v1(122.94,102.49) ; v1(186.44,111.51) 186.44,102.81 188.03,101.22 188.03,99.14 188.36,98.81 188.36,96.74 188.68,96.41 188.68,94.33 189.01,94.01 189.01,91.93 189.34,91.6 189.34,89.52 189.67,89.2 189.67,87.12 189.99,86.79 189.99,84.71 191.78,82.93
/A4: length 512.3
  Top w0.127: J7.12 93.47,133.86 93.47,131.78 93.8,131.45 93.8,129.38 94.13,129.05 94.13,126.97 94.45,126.64 94.45,124.57 94.78,124.24 94.78,123.15 v1(96.01,121.92) ; v1(45.21,121.92) 43.98,123.15 43.98,124.24 43.65,124.57 43.65,126.64 43.33,126.97 43.33,129.05 43,129.38 43,131.45 42.67,131.78 42.67,133.86 J5.12 ; v1(40.13,101.98) v1(46.23,101.98) v1(72.64,101.98) v1(97.03,101.98) v1(122.43,101.98) 163.32,101.98 174.88,113.54 178.56,113.54 181.1,111 v1(186.94,111) ; v1(70.61,121.92) 69.38,123.15 69.38,124.24 69.05,124.57 69.05,126.64 68.73,126.97 68.73,129.05 68.4,129.38 68.4,131.45 68.07,131.78 68.07,133.86 J6.12 ; v1(44.32,47.24) v1(53.85,47.24) ; J3.12 152.27,9.02 150.2,9.02 149.87,9.34 149.41,9.34 v1(147.32,11.43) ; J8.12 118.87,133.86 118.87,131.78 119.2,131.45 119.2,129.38 119.53,129.05 119.53,126.97 119.85,126.64 119.85,124.57 120.18,124.24 120.18,123.02 v1(121.41,121.79) ; v1(44.83,65.66) U24.3
  Bottom w0.127: U3.6 55.37,28.45 55.37,30.53 55.05,30.85 55.05,32.93 54.72,33.26 54.72,35.33 54.39,35.66 54.39,44.94 53.85,45.48 v1(53.85,47.24) ; v1(186.94,111) 186.94,102.77 188.36,101.35 188.36,99.28 188.68,98.95 188.68,96.87 189.01,96.55 189.01,94.47 189.34,94.14 189.34,92.06 189.67,91.74 189.67,89.66 189.99,89.33 189.99,87.25 U1.34 ; U24.3 40.13,70.36 v1(40.13,101.98) ; v1(44.83,65.66) 44.83,54.48 44.32,53.97 v1(44.32,47.24) ; v1(72.64,101.98) 72.64,104.77 71.63,105.79 71.63,111 70.61,112.01 v1(70.61,121.92) ; v1(97.03,101.98) 97.03,111 96.01,112.01 v1(96.01,121.92) ; v1(147.32,101.98) v1(147.32,11.43) ; v1(121.41,121.79) 121.41,112.01 122.43,111 v1(122.43,101.98) ; v1(45.21,121.92) 45.21,112.01 46.23,111 v1(46.23,101.98)
/A5: length 510.6
  Top w0.127: J6.14 68.07,131.32 68.07,129.24 68.4,128.91 68.4,126.84 68.73,126.51 68.73,124.43 69.05,124.1 69.05,122.46 v1(70.1,121.41) ; J8.14 118.87,131.32 118.87,129.24 119.2,128.91 119.2,126.84 119.53,126.51 119.53,124.43 119.85,124.1 119.85,122.34 v1(120.91,121.28) 121.67,121.28 127.38,126.99 U20.1 ; v1(44.7,121.41) 43.65,122.46 43.65,124.1 43.33,124.43 43.33,126.51 43,126.84 43,128.91 42.67,129.24 42.67,131.32 J5.14 ; J7.14 93.47,131.32 93.47,129.24 93.8,128.91 93.8,126.84 94.13,126.51 94.13,124.43 94.45,124.1 94.45,122.46 v1(95.5,121.41) ; U24.6 v1(45.47,57.4) ; v1(187.45,110.49) 181.1,110.49 178.56,113.03 174.88,113.03 163.32,101.47 v1(121.92,101.47) v1(96.51,101.47) v1(72.14,101.47) v1(45.72,101.47) v1(39.62,101.47) ; J3.14 154.81,9.02 152.74,9.02 152.41,9.34 150.42,9.34 v1(147.83,11.94) ; v1(44.83,46.74) v1(54.36,46.74)
  Bottom w0.127: v1(147.83,101.47) v1(147.83,11.94) ; v1(96.51,101.47) 96.52,101.48 96.52,111 95.5,112.01 v1(95.5,121.41) ; v1(70.1,121.41) 70.1,112.01 71.12,111 71.12,105.79 72.14,104.77 v1(72.14,101.47) ; v1(39.62,101.47) 39.62,63.25 U24.6 ; U3.5 55.37,30.99 55.37,33.07 55.05,33.39 55.05,35.47 54.72,35.8 54.72,45.08 54.36,45.44 v1(54.36,46.74) ; v1(44.7,121.41) 44.7,112.01 45.72,111 v1(45.72,101.47) ; v1(187.45,110.49) 187.45,102.72 188.68,101.49 188.68,99.41 189.01,99.09 189.01,97.01 189.34,96.68 189.34,94.6 189.67,94.28 189.67,92.2 189.99,91.87 189.99,89.79 U1.35 ; v1(120.91,121.28) 120.91,112.01 121.92,111 v1(121.92,101.47) ; v1(44.83,46.74) 44.83,53.97 45.47,54.61 v1(45.47,57.4)
/A6: length 490.9
  Top w0.127: J8.16 118.87,128.78 118.87,126.7 119.2,126.37 119.2,124.3 119.53,123.97 119.53,122.03 120.4,121.16 v1(120.4,120.78) 121.67,120.78 125.34,124.45 U20.2 ; v1(45.21,100.96) v1(71.63,100.96) v1(96.01,100.96) v1(121.41,100.96) 163.32,100.96 174.88,112.52 178.56,112.52 181.1,109.98 v1(187.96,109.98) ; J6.16 68.07,128.78 68.07,126.7 68.4,126.37 68.4,124.3 68.73,123.97 68.73,121.89 69.6,121.02 v1(69.6,120.9) ; J5.16 42.67,128.78 42.67,126.7 43,126.37 43,124.3 43.33,123.97 43.33,121.89 44.2,121.02 v1(44.2,120.9) ; J7.16 93.47,128.78 93.47,126.7 93.8,126.37 93.8,124.3 94.13,123.97 94.13,121.89 95,121.02 v1(95,120.9) ; J3.16 157.35,9.02 155.28,9.02 154.95,9.34 152.87,9.34 152.54,9.67 151.11,9.67 v1(148.34,12.45) ; v1(45.34,46.23) v1(54.86,46.23) ; U24.10 v1(46.1,54.99)
  Bottom w0.127: v1(148.34,100.96) v1(148.34,12.45) ; v1(45.34,46.23) 45.34,53.97 46.1,54.74 v1(46.1,54.99) ; U1.36 189.99,92.33 189.99,94.41 189.67,94.74 189.67,96.82 189.34,97.14 189.34,99.22 189.01,99.55 189.01,101.63 187.96,102.68 v1(187.96,109.98) ; v1(69.6,120.9) 69.6,112.01 70.61,111 70.61,105.79 71.63,104.77 v1(71.63,100.96) ; v1(44.2,120.9) 44.2,112.01 45.21,111 v1(45.21,100.96) ; v1(96.01,100.96) 96.01,111 95,112.01 v1(95,120.9) ; v1(54.86,46.23) 54.86,45.39 55.05,45.21 55.05,35.93 55.37,35.61 55.37,33.53 U3.4 ; v1(120.4,120.78) 120.4,112.01 121.41,111 v1(121.41,100.96) ; U24.10 51.82,60.71 v1(51.82,100.96)
